# KiCad board alu_ctrl.kicad_pcb (continued)
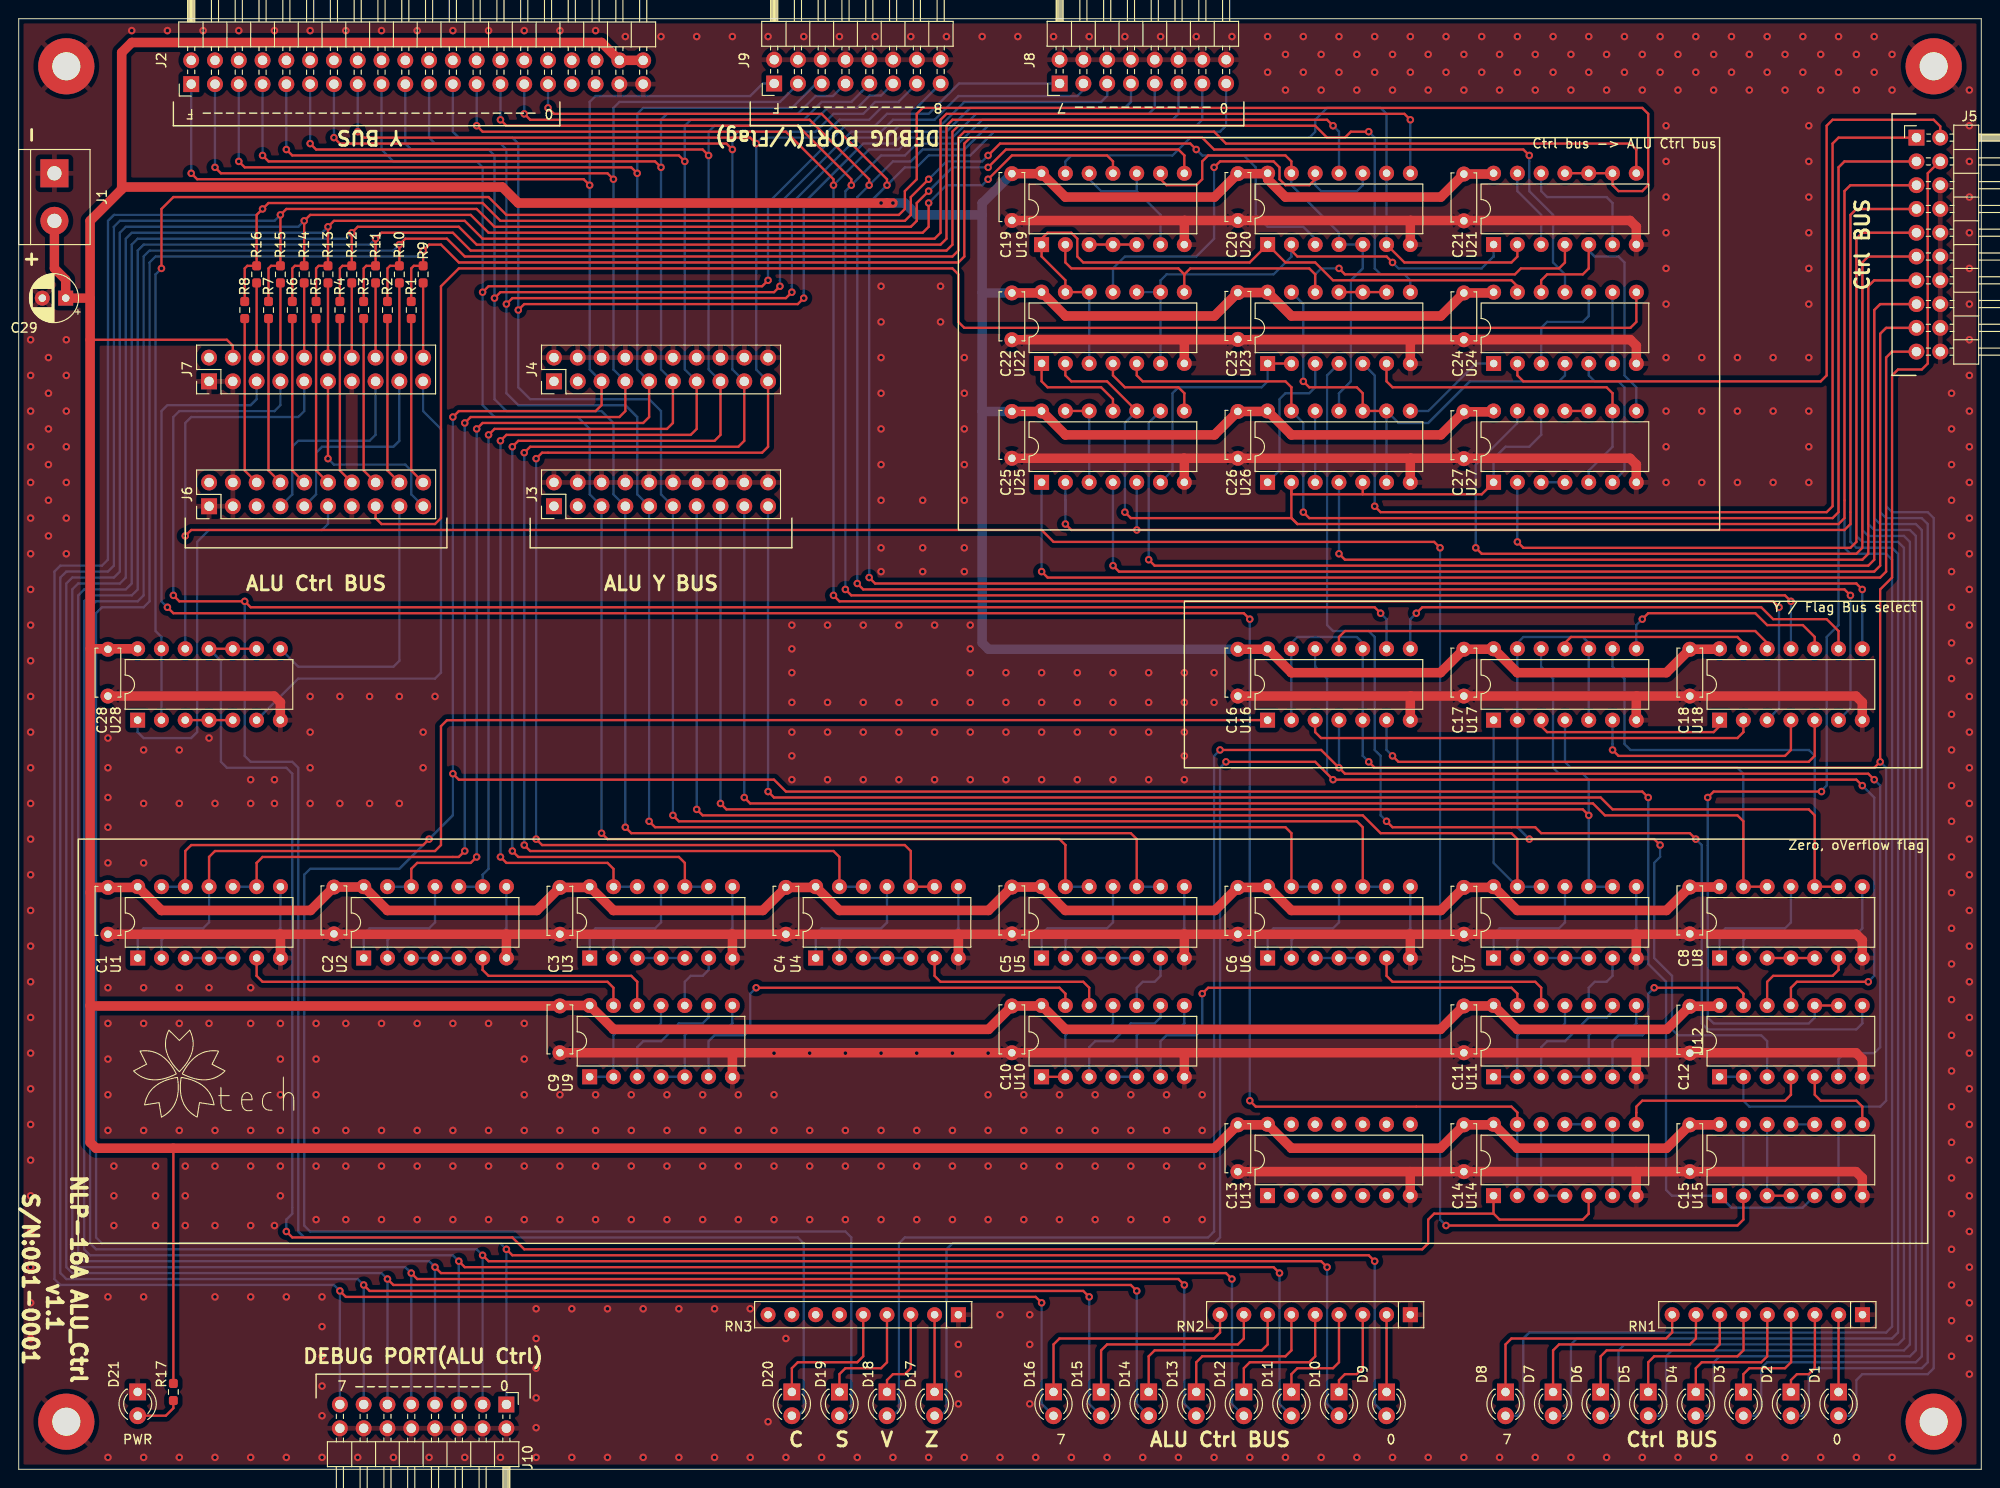
[diagram p0: board, top side]
## Routing (per net, layer and track width the routed paths; a pad name or vN(x,y) marks a point on that pad's centre or on a via; arc(x,y) is an arc through that point)
GND: length 746.9
  Top w1.016: 172.68,44.49 196.17,44.49 196.85,43.81 196.85,41.91 ; 172.68,44.49 172.72,44.46 U11.7 ; 172.68,44.49 124.5,44.49 ; C22.1 124.46,120.65 ; 124.46,120.65 124.45,120.64 124.45,118.12 ; 124.46,120.65 148.59,120.65 ; U3.7 76.2,57.14 76.2,57.15 ; 148.63,107.99 148.59,107.94 U26.7 ; 148.63,107.99 172.04,107.99 172.72,107.31 172.72,107.31 U27.7 ; 148.63,107.99 124.42,107.99 ; U14.7 172.71,31.76 172.68,31.79 ; 124.5,44.49 124.45,44.44 124.45,41.92 ; 124.5,44.49 76.24,44.49 ; 124.5,133.39 124.45,133.34 124.45,130.81 ; 124.5,133.39 148.63,133.39 ; 124.5,133.39 C19.1 ; 148.63,82.59 148.59,82.55 U16.7 ; 148.63,82.59 C16.1 ; 148.63,82.59 172.76,82.59 ; C13.1 148.55,31.79 ; 148.55,31.79 148.58,31.76 U13.7 ; 148.55,31.79 172.68,31.79 ; 148.63,133.39 148.59,133.35 U20.7 ; 148.63,133.39 172.04,133.39 172.72,132.72 172.72,132.71 U21.7 ; U6.7 148.59,57.15 ; 148.59,57.15 124.46,57.15 ; 148.59,57.15 172.72,57.15 ; 148.59,120.65 U23.7 ; 148.59,120.65 172.09,120.65 172.72,120.02 U24.7 ; 172.68,31.79 196.17,31.79 196.85,31.12 196.84,31.11 U15.7 ; 124.46,57.15 100.33,57.15 ; 124.46,57.15 124.45,57.14 124.45,54.61 ; 76.2,57.15 100.33,57.15 ; 76.2,57.15 52.07,57.15 ; 27.94,57.15 52.07,57.15 ; 27.94,57.15 C1.1 ; 27.94,57.15 27.94,57.14 U1.7 ; 52.07,57.15 52.08,57.14 U2.7 ; U4.7 100.33,57.15 ; U18.7 196.84,81.91 196.85,81.91 196.17,82.59 172.76,82.59 ; U9.7 76.2,44.45 76.24,44.49 ; U28.7 27.93,81.91 27.94,81.91 27.26,82.59 C28.1 ; 76.24,44.49 C9.1 ; 124.42,107.99 124.45,107.95 124.45,105.42 ; 124.42,107.99 C25.1 ; U7.7 172.72,57.14 172.72,57.15 ; 172.72,57.15 196.22,57.15 196.85,56.52 196.84,56.51 U8.7 ; 172.76,82.59 172.72,82.55 U17.7
  vias: v1(1.27,120.65) v1(1.27,116.84) v1(1.27,113.03) v1(1.27,109.22) v1(1.27,105.41) v1(1.27,101.6) v1(1.27,97.79) v1(1.27,93.98) v1(1.27,90.17) v1(1.27,86.36) v1(1.27,82.55) v1(1.27,78.74) v1(1.27,74.93) v1(1.27,71.12) v1(1.27,67.31) v1(1.27,63.5) v1(1.27,59.69) v1(1.27,55.88) v1(1.27,52.07) v1(1.27,48.26) v1(1.27,44.45) v1(1.27,40.64) v1(1.27,36.83) v1(1.27,33.02) v1(1.27,29.21) v1(1.27,25.4) v1(1.27,21.59) v1(1.27,17.78) v1(1.27,13.97) v1(3.18,118.75) v1(3.18,114.94) v1(3.18,111.12) v1(3.18,107.31) v1(3.18,103.5) v1(3.18,99.69) v1(5.08,120.65) v1(5.08,116.84) v1(5.08,113.03) v1(5.08,109.22) v1(5.08,105.41) v1(5.08,101.6) v1(5.08,97.79) v1(9.52,78.11) v1(9.52,74.93) v1(9.52,71.75) v1(9.52,68.58) v1(9.52,64.77) v1(9.52,51.44) v1(9.52,47.62) v1(9.52,43.81) v1(9.52,40) v1(9.52,36.19) v1(9.52,18.41) v1(9.52,1.27) v1(10.16,32.38) v1(10.16,29.21) v1(10.16,26.03) v1(12.07,153.67) v1(13.33,76.83) v1(13.33,71.12) v1(13.33,64.77) v1(13.33,51.44) v1(13.33,47.62) v1(13.33,36.19) v1(13.33,18.41) v1(13.33,1.27) v1(14.61,32.38) v1(14.61,29.21) v1(14.61,26.03) v1(15.88,153.67) v1(17.14,76.83) v1(17.14,71.12) v1(17.14,51.44) v1(17.14,47.62) v1(17.14,36.19) v1(17.14,1.27) v1(17.78,32.38) v1(17.78,29.21) v1(17.78,26.03) v1(19.68,153.67) v1(20.32,78.11) v1(20.32,51.44) v1(20.32,47.62) v1(20.96,71.12) v1(20.96,36.19) v1(20.96,32.38) v1(20.96,26.03) v1(20.96,18.41) v1(20.96,1.27) v1(23.5,153.67) v1(24.76,73.66) v1(24.76,71.12) v1(24.76,51.44) v1(24.76,47.62) v1(24.76,36.19) v1(24.76,32.38) v1(24.76,26.03) v1(24.76,18.41) v1(24.76,1.27) v1(27.31,153.67) v1(27.31,73.66) v1(27.31,71.12) v1(27.31,26.03) v1(27.94,47.62) v1(27.94,43.81) v1(27.94,40) v1(27.94,36.19) v1(27.94,32.38) v1(27.94,29.21) v1(28.57,18.41) v1(28.57,1.27) v1(31.11,153.67) v1(31.11,82.55) v1(31.11,78.74) v1(31.11,74.93) v1(31.11,71.12) v1(31.75,47.62) v1(31.75,43.81) v1(31.75,40) v1(31.75,36.19) v1(31.75,32.38) v1(31.75,26.67) v1(32.39,18.41) v1(32.39,15.24) v1(32.39,12.06) v1(32.39,8.89) v1(32.39,5.72) v1(32.39,1.27) v1(34.29,82.55) v1(34.29,71.12) v1(34.92,153.67) v1(34.92,47.62) v1(34.92,36.19) v1(34.92,32.38) v1(34.92,26.67) v1(36.19,1.27) v1(37.47,82.55) v1(37.47,71.12) v1(38.73,153.67) v1(38.73,47.62) v1(38.73,36.19) v1(38.73,32.38) v1(38.73,26.67) v1(40,1.27) v1(40.64,82.55) v1(40.64,71.12) v1(42.55,153.67) v1(42.55,47.62) v1(42.55,36.19) v1(42.55,32.38) v1(42.55,26.67) v1(43.18,78.74) v1(43.18,74.93) v1(43.81,1.27) v1(44.45,82.55) v1(46.35,153.67) v1(46.35,47.62) v1(46.35,36.19) v1(46.35,32.38) v1(46.35,26.67) v1(47.62,1.27) v1(50.16,153.67) v1(50.16,47.62) v1(50.16,36.19) v1(50.16,32.38) v1(50.16,26.67) v1(51.44,1.27) v1(53.97,153.67) v1(53.97,47.62) v1(53.97,43.81) v1(53.97,40) v1(53.97,36.19) v1(53.97,32.38) v1(53.97,26.67) v1(55.24,17.15) v1(55.24,13.97) v1(55.24,10.79) v1(55.24,7.62) v1(55.24,4.44) v1(55.24,1.27) v1(57.78,153.67) v1(57.78,40) v1(57.78,36.19) v1(57.78,32.38) v1(57.78,26.67) v1(59.05,17.15) v1(59.05,1.27) v1(61.59,153.67) v1(61.59,40) v1(61.59,36.19) v1(61.59,32.38) v1(61.59,26.67) v1(62.86,17.15) v1(62.86,1.27) v1(64.77,153.03) v1(65.41,40) v1(65.41,36.19) v1(65.41,32.38) v1(65.41,26.67) v1(66.67,17.15) v1(66.67,1.27) v1(68.58,153.03) v1(69.22,40) v1(69.22,36.19) v1(69.22,32.38) v1(69.22,26.67) v1(70.48,17.15) v1(70.48,1.27) v1(72.39,153.03) v1(73.02,40) v1(73.02,36.19) v1(73.02,32.38) v1(73.02,26.67) v1(74.3,17.15) v1(74.3,1.27) v1(76.2,153.03) v1(76.83,40) v1(76.83,36.19) v1(76.83,32.38) v1(76.83,26.67) v1(78.1,17.15) v1(78.1,1.27) v1(80.01,153.03) v1(80.01,5.08) v1(80.64,44.45) v1(80.64,40) v1(80.64,36.19) v1(80.64,32.38) v1(80.64,26.67) v1(81.91,13.97) v1(81.91,1.27) v1(82.55,90.17) v1(82.55,87.63) v1(82.55,85.09) v1(82.55,81.91) v1(82.55,78.74) v1(82.55,76.2) v1(82.55,73.66) v1(83.82,153.03) v1(84.45,44.45) v1(84.45,36.19) v1(84.45,32.38) v1(84.45,26.67) v1(85.72,1.27) v1(86.36,90.17) v1(86.36,81.91) v1(86.36,78.74) v1(86.36,73.66) v1(87.63,153.03) v1(88.27,44.45) v1(88.27,36.19) v1(88.27,32.38) v1(88.27,26.67) v1(89.53,1.27) v1(90.17,90.17) v1(90.17,81.91) v1(90.17,78.74) v1(90.17,73.66) v1(91.44,153.03) v1(92.08,126.37) v1(92.08,122.56) v1(92.08,118.75) v1(92.08,114.94) v1(92.08,111.12) v1(92.08,107.31) v1(92.08,103.5) v1(92.08,98.42) v1(92.08,95.89) v1(92.08,44.45) v1(92.08,36.19) v1(92.08,32.38) v1(92.08,26.67) v1(93.34,1.27) v1(93.98,90.17) v1(93.98,81.91) v1(93.98,78.74) v1(93.98,73.66) v1(95.25,153.03) v1(95.88,44.45) v1(95.88,36.19) v1(95.88,32.38) v1(95.88,26.67) v1(96.52,103.5) v1(96.52,98.42) v1(96.52,95.89) v1(97.16,1.27) v1(97.79,90.17) v1(97.79,81.91) v1(97.79,78.74) v1(97.79,73.66) v1(98.42,126.37) v1(98.42,122.56) v1(99.06,153.03) v1(99.69,44.45) v1(99.69,36.19) v1(99.69,32.38) v1(99.69,26.67) v1(100.33,13.34) v1(100.33,10.16) v1(100.33,6.98) v1(100.97,118.75) v1(100.97,114.94) v1(100.97,111.12) v1(100.97,107.31) v1(100.97,103.5) v1(100.97,98.42) v1(100.97,95.89) v1(100.97,1.27) v1(101.6,90.17) v1(101.6,87.63) v1(101.6,85.09) v1(101.6,81.91) v1(101.6,78.74) v1(101.6,73.66) v1(102.87,153.03) v1(103.5,44.45) v1(103.5,40) v1(103.5,36.19) v1(103.5,32.38) v1(103.5,26.67) v1(104.77,16.51) v1(104.77,1.27) v1(105.41,85.09) v1(105.41,81.91) v1(105.41,78.74) v1(105.41,73.66) v1(106.68,153.03) v1(107.31,40) v1(107.31,36.19) v1(107.31,32.38) v1(107.31,26.67) v1(107.95,16.51) v1(107.95,13.34) v1(107.95,6.98) v1(108.59,1.27) v1(109.22,85.09) v1(109.22,81.91) v1(109.22,78.74) v1(109.22,73.66) v1(110.49,153.03) v1(111.12,40) v1(111.12,36.19) v1(111.12,32.38) v1(111.12,26.67) v1(112.4,1.27) v1(113.03,85.09) v1(113.03,81.91) v1(113.03,78.74) v1(113.03,73.66) v1(114.3,153.03) v1(114.94,40) v1(114.94,36.19) v1(114.94,32.38) v1(114.94,26.67) v1(116.2,1.27) v1(116.84,85.09) v1(116.84,81.91) v1(116.84,78.74) v1(116.84,73.66) v1(118.11,153.03) v1(118.75,40) v1(118.75,36.19) v1(118.75,32.38) v1(118.75,26.67) v1(120.01,1.27) v1(120.65,85.09) v1(120.65,81.91) v1(120.65,78.74) v1(120.65,73.66) v1(121.92,153.03) v1(122.56,40) v1(122.56,36.19) v1(122.56,32.38) v1(122.56,26.67) v1(123.82,1.27) v1(124.46,85.09) v1(124.46,81.91) v1(124.46,78.74) v1(124.46,76.2) v1(124.46,73.66) v1(125.73,153.03) v1(126.37,40) v1(126.37,36.19) v1(126.37,32.38) v1(126.37,26.67) v1(127.63,85.09) v1(127.63,81.91) v1(127.63,1.27) v1(129.54,153.03) v1(131.44,1.27) v1(133.35,153.03) v1(133.35,149.22) v1(135.25,151.13) v1(135.25,147.32) v1(135.25,1.27) v1(137.16,153.03) v1(137.16,149.22) v1(139.06,151.13) v1(139.06,147.32) v1(139.06,1.27) v1(140.97,153.03) v1(140.97,149.22) v1(142.88,151.13) v1(142.88,147.32) v1(142.88,1.27) v1(144.78,153.03) v1(144.78,149.22) v1(146.69,151.13) v1(146.69,147.32) v1(146.69,1.27) v1(148.59,153.03) v1(148.59,149.22) v1(150.5,151.13) v1(150.5,147.32) v1(150.5,1.27) v1(152.4,153.03) v1(152.4,149.22) v1(154.31,151.13) v1(154.31,147.32) v1(154.31,1.27) v1(156.21,153.03) v1(156.21,149.22) v1(158.12,151.13) v1(158.12,147.32) v1(158.12,1.27) v1(160.02,153.03) v1(160.02,149.22) v1(161.92,151.13) v1(161.92,147.32) v1(161.92,1.27) v1(163.83,153.03) v1(163.83,149.22) v1(165.73,151.13) v1(165.73,147.32) v1(165.73,1.27) v1(167.64,153.03) v1(167.64,149.22) v1(169.54,151.13) v1(169.54,147.32) v1(169.54,1.27) v1(171.45,153.03) v1(171.45,149.22) v1(173.35,151.13) v1(173.35,147.32) v1(173.35,1.27) v1(175.26,153.03) v1(175.26,149.22) v1(175.9,143.51) v1(175.9,139.7) v1(175.9,135.89) v1(175.9,132.08) v1(175.9,128.27) v1(175.9,124.46) v1(175.9,118.75) v1(175.9,113.03) v1(175.9,109.22) v1(175.9,105.41) v1(177.16,151.13) v1(177.16,147.32) v1(177.16,1.27) v1(179.07,153.03) v1(179.07,149.22) v1(179.7,118.75) v1(179.7,113.03) v1(179.7,105.41) v1(180.97,151.13) v1(180.97,147.32) v1(180.97,1.27) v1(182.88,153.03) v1(182.88,149.22) v1(183.51,118.75) v1(183.51,113.03) v1(183.51,105.41) v1(184.78,151.13) v1(184.78,147.32) v1(184.78,1.27) v1(186.69,153.03) v1(186.69,149.22) v1(187.32,118.75) v1(187.32,113.03) v1(187.32,105.41) v1(188.59,151.13) v1(188.59,147.32) v1(188.59,1.27) v1(190.5,153.03) v1(190.5,149.22) v1(191.13,143.51) v1(191.13,139.7) v1(191.13,135.89) v1(191.13,132.08) v1(191.13,128.27) v1(191.13,124.46) v1(191.13,118.75) v1(191.13,113.03) v1(191.13,109.22) v1(191.13,105.41) v1(192.41,151.13) v1(192.41,147.32) v1(192.41,1.27) v1(194.31,153.03) v1(194.31,149.22) v1(196.22,151.13) v1(196.22,147.32) v1(196.22,1.27) v1(198.12,153.03) v1(198.12,149.22) v1(200.03,151.13) v1(200.03,147.32) v1(200.03,1.27) v1(206.38,114.94) v1(206.38,111.12) v1(206.38,107.31) v1(206.38,103.5) v1(206.38,99.69) v1(206.38,95.89) v1(206.38,92.08) v1(206.38,88.27) v1(206.38,84.45) v1(206.38,80.64) v1(206.38,76.83) v1(206.38,73.03) v1(206.38,69.22) v1(206.38,65.41) v1(206.38,61.59) v1(206.38,57.78) v1(206.38,53.97) v1(206.38,50.16) v1(206.38,46.36) v1(206.38,42.54) v1(206.38,38.73) v1(206.38,34.93) v1(206.38,31.12) v1(206.38,27.31) v1(206.38,23.5) v1(206.38,19.69) v1(206.38,15.88) v1(206.38,12.06) v1(208.28,147.32) v1(208.28,143.51) v1(208.28,139.7) v1(208.28,135.89) v1(208.28,132.08) v1(208.28,128.27) v1(208.28,124.46) v1(208.28,120.65) v1(208.28,116.84) v1(208.28,113.03) v1(208.28,109.22) v1(208.28,105.41) v1(208.28,101.6) v1(208.28,97.79) v1(208.28,93.98) v1(208.28,90.17) v1(208.28,86.36) v1(208.28,82.55) v1(208.28,78.74) v1(208.28,74.93) v1(208.28,71.12) v1(208.28,67.31) v1(208.28,63.5) v1(208.28,59.69) v1(208.28,55.88) v1(208.28,52.07) v1(208.28,48.26) v1(208.28,44.45) v1(208.28,40.64) v1(208.28,36.83) v1(208.28,33.02) v1(208.28,29.21) v1(208.28,25.4) v1(208.28,21.59) v1(208.28,17.78) v1(208.28,13.97) v1(208.28,10.16)
VCC: length 1184.2
  Top w0.25: 7.62,120.65 22.22,120.65 22.86,120.02 J7.4 ; R17.1 16.51,34.29
  Top w0.5: 7.62,87.63 7.63,87.64 ; 12.67,62.19 U1.14
  Top w1: J1.2 3.81,128.27 5.02,127.06 C29.1 7.62,125.09
  Top w1.016: U8.14 181.56,62.19 C8.2 175.94,59.69 160.01,59.69 U7.14 157.4,62.15 C7.2 151.84,59.69 135.89,59.69 U6.14 133.27,62.15 C6.2 127.72,59.69 111.75,59.69 U5.14 109.17,62.19 C5.2 103.55,59.69 87.63,59.69 U4.14 85.01,62.15 C4.2 79.45,59.69 63.5,59.69 63.5,59.69 U3.14 60.88,62.15 C3.2 55.33,59.69 39.37,59.69 39.37,59.69 U2.14 36.8,62.19 C2.2 31.15,59.69 15.24,59.69 15.24,59.69 U1.14 12.63,62.15 C1.2 8.18,62.15 ; U28.14 7.63,87.64 ; U18.14 181.56,87.59 C18.2 175.94,85.09 160.02,85.09 160.02,85.09 U17.14 157.42,87.59 C17.2 151.81,85.09 135.89,85.09 135.89,85.09 U16.14 133.29,87.59 C16.2 ; 7.62,49.53 7.62,34.93 8.25,34.29 127.67,34.29 C13.2 133.28,36.79 U13.14 135.89,34.3 135.89,34.29 151.81,34.29 C14.2 157.41,36.79 U14.14 160.02,34.3 160.02,34.29 175.94,34.29 C15.2 181.56,36.79 U15.14 ; 7.62,49.53 7.62,133.35 10.99,136.72 10.99,136.96 ; 7.62,49.53 7.66,49.49 C9.2 57.83,49.54 U9.14 63.5,47 63.5,46.99 103.55,46.99 C10.2 109.16,49.49 U10.14 111.76,47 111.76,46.99 151.81,46.99 C11.2 157.42,49.49 U11.14 160.02,47 160.02,46.99 175.97,46.99 C12.2 181.53,49.45 181.61,49.53 ; C22.2 109.12,125.65 U22.14 111.76,123.19 111.76,123.19 127.67,123.19 C23.2 133.31,125.69 U23.14 135.89,123.19 151.84,123.19 C24.2 157.4,125.65 U24.14 ; 10.99,136.96 51.63,136.96 53.34,135.25 v1(93.34,135.25) ; 10.99,136.96 10.99,151.33 12.07,152.4 62.23,152.4 64.13,150.5 66.67,150.5 ; U27.14 157.38,112.95 C27.2 151.84,110.49 135.89,110.49 135.89,110.5 U26.14 133.29,112.99 C26.2 127.67,110.49 111.76,110.49 111.76,110.5 U25.14 109.16,112.99 C25.2 ; C19.2 109.17,138.39 U19.14 111.75,135.89 127.67,135.89 C20.2 133.3,138.39 U20.14 133.35,137.8 135.25,135.89 151.84,135.89 C21.2 157.38,138.35 U21.14
  Bottom w1.016: C25.2 102.91,112.99 102.87,113.03 ; C19.2 102.91,135.25 102.87,135.25 102.87,133.99 ; C16.2 103.55,87.59 102.87,88.27 102.87,113.03 ; v1(92.08,135.25) v1(93.34,135.25) 94.61,135.25 95.88,133.99 102.87,133.99 ; 102.87,133.99 102.87,125.73 ; 102.87,125.73 102.95,125.65 C22.2 ; 102.87,125.73 102.87,113.03
ADD/SUB: length 465.3
  Top w0.25: v1(161.29,140.34) 160.66,140.97 127.63,140.97 126.37,142.24 101.6,142.24 100.97,141.6 100.97,129.54 100.33,128.91 46.99,128.91 45.08,130.81 43.81,130.81 v1(43.18,130.18) R9.2 42.19,128.55 41.91,128.27 R1.2 ; v1(52.07,23.5) 52.7,22.86 144.15,22.86 v1(144.78,22.22)
  Bottom w0.25: U24.11 165.1,127.63 163.83,128.91 163.83,133.99 161.29,136.53 v1(161.29,140.34) ; v1(144.78,22.22) 144.78,6.98 D9.2 ; J10.1 v1(52.07,23.5) 51.44,24.13 8.89,24.13 8.25,24.76 8.25,91.44 8.89,92.08 13.33,92.08 13.97,92.71 13.97,128.91 14.61,129.54 42.55,129.54 v1(43.18,130.18)
ALU_Ctrl1: length 459.9
  Top w0.25: R2.2 39.37,128.27 39.65,128.55 R10.2 v1(40.64,130.81) 41.28,131.44 45.72,131.44 47.62,129.54 99.69,129.54 100.33,130.18 100.33,142.24 100.97,142.88 127.63,142.88 128.91,141.6 172.09,141.6 172.72,140.97 172.72,140.97 U21.8 ; v1(49.53,22.86) 50.16,22.22 139.06,22.22 v1(139.7,21.59)
  Bottom w0.25: J10.3 v1(49.53,22.86) 48.89,23.5 8.25,23.5 7.62,24.13 7.62,92.08 8.25,92.71 12.7,92.71 13.33,93.34 13.33,129.54 13.97,130.18 40,130.18 v1(40.64,130.81) ; D10.2 139.7,6.99 139.7,6.99 v1(139.7,21.59)
ALU_Ctrl2: length 446.1
  Top w0.25: R3.2 36.83,128.27 37.11,128.55 R11.2 v1(38.1,131.44) 38.73,132.08 46.35,132.08 48.26,130.18 99.06,130.18 99.69,130.81 99.69,142.88 100.33,143.51 138.43,143.51 139.7,142.24 141.6,142.24 142.24,142.88 v1(144.15,142.88) ; v1(134.62,20.96) 133.98,21.59 47.62,21.59 v1(46.99,22.22)
  Bottom w0.25: v1(38.1,131.44) 37.47,130.81 13.33,130.81 12.7,130.18 12.7,93.98 12.07,93.34 7.62,93.34 6.98,92.71 6.98,23.49 7.62,22.86 46.35,22.86 v1(46.99,22.22) J10.5 ; D11.2 134.62,6.98 v1(134.62,20.96) ; 148.59,125.74 148.59,127 147.95,127.63 145.41,127.63 144.78,128.27 144.78,142.24 v1(144.15,142.88)
ALU_Ctrl3: length 423.4
  Top w0.25: v1(129.54,20.32) 128.91,20.96 45.08,20.96 v1(44.45,21.59) ; v1(140.34,143.51) 139.7,144.15 99.69,144.15 99.06,143.51 99.06,131.44 98.42,130.81 48.89,130.81 46.99,132.72 36.19,132.72 v1(35.56,132.08) R12.2 34.57,128.55 34.29,128.27 R4.2
  Bottom w0.25: D12.2 129.54,6.98 v1(129.54,20.32) ; v1(35.56,132.08) 34.92,131.44 12.7,131.44 12.07,130.81 12.07,94.61 11.43,93.98 6.98,93.98 6.35,93.34 6.35,22.86 6.98,22.22 43.81,22.22 v1(44.45,21.59) J10.7 ; v1(140.34,143.51) 140.97,142.88 U20.11
ALU_Ctrl4: length 428.9
  Top w0.25: R5.2 31.75,128.27 32.03,128.55 R13.2 v1(33.02,132.72) 33.66,133.35 47.62,133.35 49.53,131.44 97.79,131.44 98.42,132.08 98.42,144.15 99.06,144.78 147.95,144.78 v1(148.59,144.15) ; v1(124.46,19.69) 123.82,20.32 42.55,20.32 v1(41.91,20.96)
  Bottom w0.25: J10.9 v1(41.91,20.96) 41.28,21.59 6.35,21.59 5.71,22.22 5.71,93.98 6.35,94.61 10.79,94.61 11.43,95.25 11.43,131.44 12.07,132.08 32.39,132.08 v1(33.02,132.72) ; U20.8 v1(148.59,144.15) ; v1(124.46,19.69) 124.46,6.98 124.47,6.98 D13.2
ALU_Ctrl5: length 381.8
  Top w0.25: v1(39.37,20.32) 40,19.69 118.75,19.69 v1(119.38,19.05) ; v1(97.16,135.25) 97.16,132.72 96.52,132.08 50.16,132.08 48.26,133.99 31.11,133.99 v1(30.48,133.35) R14.2 29.49,128.55 29.21,128.27 R6.2 ; 116.84,138.44 116.84,139.69 116.84,139.7 116.2,140.34 106.05,140.34 v1(103.5,137.8)
  Bottom w0.25: v1(119.38,19.05) 119.38,6.98 119.38,6.98 D14.2 ; v1(30.48,133.35) 29.85,132.72 11.43,132.72 10.79,132.08 10.79,95.89 10.16,95.25 5.71,95.25 5.08,94.61 5.08,21.59 5.71,20.96 38.73,20.96 v1(39.37,20.32) J10.11 ; v1(103.5,137.8) 102.87,137.16 99.06,137.16 v1(97.16,135.25)
ALU_Ctrl6: length 386.6
  Top w0.25: v1(103.5,139.06) 105.41,140.97 123.82,140.97 124.46,140.34 124.45,140.33 124.45,138.44 ; v1(114.3,18.41) 113.66,19.05 37.47,19.05 v1(36.83,19.69) ; R7.2 26.67,128.27 26.95,128.55 R15.2 v1(27.94,133.99) 28.57,134.62 48.89,134.62 50.8,132.72 95.25,132.72 95.88,133.35 95.88,135.25 v1(97.16,136.53)
  Bottom w0.25: v1(103.5,139.06) 99.69,139.06 v1(97.16,136.53) ; D15.2 114.3,6.98 v1(114.3,18.41) ; J10.13 v1(36.83,19.69) 36.19,20.32 5.08,20.32 4.45,20.96 4.45,95.25 5.08,95.89 9.52,95.89 10.16,96.52 10.16,132.72 10.79,133.35 27.31,133.35 v1(27.94,133.99)
ALU_Ctrl7: length 403.3
  Top w0.25: v1(34.29,19.05) 34.92,18.41 108.59,18.41 v1(109.22,17.78) ; v1(97.16,137.8) 95.25,135.89 95.25,133.99 94.61,133.35 51.44,133.35 49.53,135.25 26.67,135.25 v1(26.04,134.62) 25.4,133.99 R16.2 24.41,128.55 24.13,128.27 R8.2 ; v1(103.5,140.34) 104.77,141.6 125.09,141.6 v1(125.73,140.97)
  Bottom w0.25: v1(109.22,17.78) 109.22,6.98 109.22,6.98 D16.2 ; v1(97.16,137.8) 99.06,139.7 102.87,139.7 v1(103.5,140.34) ; J10.15 v1(34.29,19.05) 33.66,19.69 4.45,19.69 3.81,20.32 3.81,95.89 4.45,96.52 8.89,96.52 9.52,97.16 9.52,133.35 10.16,133.99 25.4,133.99 v1(26.04,134.62) ; v1(125.73,140.97) 126.37,140.34 130.81,140.34 132.08,139.06 132.08,133.99 133.35,132.72 137.16,132.72 138.43,131.44 138.43,130.81
B_SIGN: length 239.3
  Top w0.25: v1(131.44,39.37) 132.08,38.73 159.38,38.73 160.02,38.1 160.01,38.09 U14.13 ; v1(131.44,90.8) 130.81,91.44 16.51,91.44 v1(15.88,92.08)
  Bottom w0.25: J7.5 25.4,114.3 24.76,113.66 15.88,113.66 15.24,113.03 15.24,92.71 v1(15.88,92.08) ; v1(131.44,39.37) v1(131.44,90.8) ; U14.13 U14.2
C: length 313.4
  Top w0.25: v1(16.51,93.34) 17.14,92.71 v1(24.13,92.71) 24.76,92.08 144.78,92.08 v1(145.41,91.44)
  Bottom w0.25: v1(16.51,93.34) 16.51,112.39 17.14,113.03 27.31,113.03 27.94,113.66 J7.7 ; v1(24.13,92.71) 24.13,76.2 24.76,75.56 29.21,75.56 29.85,74.93 29.85,25.4 30.48,24.76 83.19,24.76 83.82,24.13 83.82,6.35 83.19,5.72 D20.2 ; v1(145.41,91.44) 146.04,90.81 U16.9
C0: length 44.2
  Top w0.25: v1(127.63,139.06) 128.27,139.7 133.98,139.7 134.62,139.06 134.62,137.8 135.25,137.16 137.79,137.16 138.43,137.8 138.42,137.8 138.42,138.44
  Bottom w0.25: 138.42,138.44 138.42,137.16 139.06,136.53 142.88,136.53 143.51,137.16 143.5,137.16 143.5,138.44 ; v1(127.63,139.06) 127.63,131.44 125.73,129.54 118.11,129.54 116.84,128.26 U22.11
C1: length 52.6
  Top w0.25: 135.88,130.82 135.88,130.18 136.53,129.54 146.05,129.54 v1(146.69,128.91)
  Bottom w0.25: 135.88,130.82 135.88,129.55 135.89,129.54 133.98,127.63 122.56,127.63 121.91,127 U22.9 ; U22.6 U22.9 ; U22.9 U22.10 ; 157.47,129.55 157.47,129.53 ; 157.47,129.55 157.48,129.54 156.21,128.27 147.32,128.27 v1(146.69,128.91) ; 157.47,129.55 U21.1
C2: length 49.9
  Top w0.25: 135.88,138.44 135.88,139.7 135.25,140.34 127,140.34 126.37,139.7 126.37,137.8 125.73,137.16 122.56,137.16 121.91,137.8 121.91,138.44
  Bottom w0.25: U26.11 140.97,114.93 142.24,116.2 142.24,127 143.51,128.27 U20.5 U20.4 ; 140.97,130.82 140.97,132.09 135.88,137.16 135.88,138.44
C3: length 11
  Bottom w0.25: U26.8 150.5,113.04 155.57,118.11 U24.1
C4: length 30.8
  Top w0.25: U24.12 162.56,127 163.19,127.63 167,127.63 167.64,128.27 167.63,128.28 U21.5
  Bottom w0.25: U27.8 172.72,115.57 171.45,116.84 171.45,128.91 170.81,129.54 168.28,129.54 167.63,130.18 U21.5
C5: length 16.3
  Bottom w0.25: U27.6 171.45,106.69 171.45,115.57 170.81,116.2 168.28,116.2 167.64,116.84 U24.5
carry_flag: length 75.4
  Top w0.25: 205.17,142.24 205.17,143.44 204.47,144.15 193.67,144.15 193.04,143.51 193.04,116.84 192.41,116.2 160.66,116.2 160.02,116.84 U24.2
Cin: length 171
  Top w0.25: U24.8 172.72,122.56 172.09,121.92 100.97,121.92 100.33,122.56 100.33,127.63 99.69,128.27 46.99,128.27 45.08,126.37 45.08,101.6 44.45,100.97 38.73,100.97 38.1,101.6 38.11,101.61 J6.15
Ctrl0: length 256.5
  Top w0.25: 202.63,119.38 200.03,119.38 200.03,119.38 199.39,118.75 199.39,95.89 198.75,95.25 109.85,95.25 v1(109.22,95.89)
  Bottom w0.25: v1(109.22,95.89) 109.22,95.89 U25.1 ; J5.19 200.03,119.38 199.39,118.75 199.39,102.87 200.03,102.23 203.84,102.23 204.47,101.6 204.47,10.79 203.84,10.16 196.85,10.16 196.22,9.53 196.22,6.35 195.58,5.72 D1.2
Ctrl1: length 257.8
  Top w0.25: 202.63,121.91 199.38,121.91 198.75,121.28 198.75,96.52 198.12,95.89 117.47,95.89 v1(116.84,96.52)
  Bottom w0.25: U25.4 116.84,96.53 v1(116.84,96.52) ; J5.17 199.39,121.92 198.75,121.28 198.75,102.23 199.39,101.6 203.2,101.6 203.84,100.97 203.84,11.43 203.2,10.79 191.77,10.79 191.13,10.16 191.13,6.35 190.5,5.72 D2.2
Ctrl2: length 271
  Top w0.25: v1(120.65,97.16) 121.28,96.52 197.48,96.52 198.12,97.16 198.12,123.82 198.75,124.45 202.63,124.45
  Bottom w0.25: U25.9 120.65,111.78 v1(120.65,97.16) ; J5.15 198.75,124.46 198.12,123.82 198.12,101.6 198.75,100.97 202.56,100.97 203.2,100.33 203.2,12.06 202.56,11.43 186.69,11.43 186.06,10.79 186.06,6.35 185.42,5.72 D3.2
Ctrl3: length 251.4
  Top w0.25: 202.63,127 198.12,127 197.48,126.37 197.48,97.79 196.85,97.16 141.6,97.16 v1(140.97,97.79)
  Bottom w0.25: D4.2 180.34,5.72 180.97,6.35 180.97,11.43 181.61,12.06 201.93,12.06 202.56,12.7 202.56,99.69 201.93,100.33 198.12,100.33 197.48,100.97 197.48,126.37 198.12,127 J5.13 ; v1(140.97,97.79) 140.97,97.8 U26.4
Ctrl4: length 255.2
  Top w0.25: 202.63,129.53 197.48,129.53 196.85,128.91 196.85,98.43 196.21,97.79 156.21,97.79 v1(155.57,98.42)
  Bottom w0.25: U27.13 160.01,111.75 155.57,107.31 v1(155.57,98.42) ; D5.2 175.26,5.72 175.9,6.35 175.9,12.06 176.53,12.7 201.29,12.7 201.93,13.34 201.93,99.06 201.29,99.69 197.48,99.69 196.85,100.33 196.85,128.91 197.48,129.54 J5.11
Ctrl5: length 250.2
  Top w0.25: 202.63,132.07 196.84,132.07 196.22,131.44 196.22,99.06 195.58,98.42 160.66,98.42 v1(160.02,99.06)
  Bottom w0.25: D6.2 170.18,5.72 170.81,6.35 170.81,12.7 171.45,13.34 200.66,13.34 201.29,13.97 201.29,98.42 200.66,99.06 196.85,99.06 196.22,99.69 196.22,131.44 196.85,132.08 J5.9 ; v1(160.02,99.06) 160.01,99.06 U27.2
Ctrl6: length 311.8
  Top w0.25: 202.63,134.62 196.21,134.62 195.58,133.99 195.58,100.97 194.94,100.33 v1(119.38,100.33) 112.4,100.33 v1(111.76,100.97)
  Bottom w0.25: J5.7 196.22,134.62 195.58,133.99 195.58,99.06 196.22,98.42 200.03,98.42 200.66,97.79 200.66,14.6 200.03,13.97 166.37,13.97 165.73,13.34 165.73,6.35 165.1,5.72 D7.2 ; 111.75,102.24 111.75,104.14 ; 111.75,104.14 U25.2 ; 111.75,104.14 111.75,103.51 111.76,103.5 v1(111.76,100.97) ; U25.5 119.38,100.33 v1(119.38,100.33)
Ctrl7: length 366.2
  Top w0.25: U27.1 157.47,105.41 156.21,104.14 135.89,104.14 135.88,104.14 U26.2 135.88,101.61 136.53,100.97 ; v1(118.11,102.23) 118.75,101.6 135.89,101.6 136.53,100.97 ; 136.53,100.97 194.31,100.97 194.94,101.6 194.94,136.53 195.57,137.16 202.63,137.16 ; U22.2 111.75,116.84 112.4,116.2 116.21,116.2 U25.10 ; U26.5 143.5,104.14
  Bottom w0.25: D8.2 160.02,5.72 160.66,6.35 160.66,13.97 161.29,14.6 199.39,14.6 200.03,15.24 200.03,97.16 199.39,97.79 195.58,97.79 194.94,98.42 194.94,136.53 195.58,137.16 J5.5 ; U27.12 162.56,110.5 162.56,110.49 161.29,109.22 158.75,109.22 157.47,107.94 U27.1 ; U25.10 118.11,111.78 v1(118.11,102.23)
Ctrl8: length 263
  Top w0.25: 202.63,139.69 194.94,139.69 194.31,139.06 194.31,102.23 193.67,101.6 137.79,101.6 v1(137.16,102.23) ; U26.13 135.88,115.56 135.89,115.57 135.25,116.2 120.01,116.2 119.38,116.84 U22.5 ; v1(180.34,71.75) 180.97,72.39 v1(192.49,72.39) ; U12.10 194.31,49.54
  Bottom w0.25: v1(180.34,71.75) 180.34,48.26 180.97,47.62 191.13,47.62 191.77,48.26 191.76,48.27 U12.10 ; v1(137.16,102.23) 137.16,111.77 U26.13 ; J5.3 194.94,139.7 194.31,139.06 194.31,90.17 193.04,88.9 193.04,73.03 192.49,72.47 v1(192.49,72.39)
Ctrl9: length 113.1
  Top w0.25: v1(144.78,102.87) 145.41,102.23 193.04,102.23 193.67,102.87 193.67,141.6 194.31,142.24 202.63,142.24
  Bottom w0.25: v1(144.78,102.87) 144.78,116.84 U23.5
Lin: length 30.3
  Bottom w0.25: U28.8 29.85,85.72 40,85.72 40.64,86.36 J6.17
Lout/A_sign: length 290.4
  Top w0.25: 184.15,27.94 184.15,27.94 ; 184.15,27.94 184.15,27.94 184.15,26.67 183.51,26.03 v1(152.4,26.03) ; 184.15,27.94 184.15,29.22 ; v1(17.78,99.69) 18.42,100.33 109.22,100.33 110.49,99.06 151.13,99.06 v1(151.76,98.42)
  Bottom w0.25: 184.15,29.22 184.15,36.84 ; J7.9 30.48,113.03 29.85,112.39 18.42,112.39 17.78,111.76 v1(17.78,99.69) 17.78,99.69 U28.12 ; v1(151.76,98.42) 151.76,26.67 v1(152.4,26.03)
Rin: length 53.7
  Bottom w0.25: U28.6 25.41,80.02 29.85,84.45 44.45,84.45 45.08,85.09 45.08,111.12 43.18,113.03 J7.19
ROLL: length 243.7
  Top w0.25: U21.11 U21.9 170.17,137.16 170.81,136.53 173.35,136.53 173.99,137.16 173.99,144.78 173.35,145.41 96.52,145.41 95.88,144.78 95.88,137.8 94.61,136.53 94.61,134.62 93.98,133.99 52.07,133.99 50.16,135.89 16.51,135.89 15.24,134.62 v1(15.24,128.27)
  Bottom w0.25: v1(15.24,128.27) 14.61,127.63 14.61,89.53 15.24,88.91 U28.13 U28.2
Rout: length 45.1
  Bottom w0.25: U28.1 12.69,78.75 13.33,78.11 18.42,78.11 19.05,78.74 19.05,99.06 20.32,100.33 32.39,100.33 33.03,100.97 33.03,102.86
V: length 217.2
  Top w0.25: v1(128.27,76.83) 139.06,76.83 v1(140.97,74.93) 141.6,74.3 197.48,74.3 v1(198.12,73.66)
  Bottom w0.25: 194.31,41.91 194.31,43.81 194.94,44.45 198.12,44.45 198.75,45.08 198.75,73.03 v1(198.12,73.66) ; U16.4 140.97,74.94 v1(140.97,74.93) ; D18.2 93.35,5.72 93.98,6.35 93.98,24.13 94.61,24.76 127,24.76 127.63,25.4 127.63,76.2 v1(128.27,76.83)
Y_BUS0: length 199
  Top w0.25: 194.31,62.23 U8.10 191.76,69.86 191.13,70.48 170.18,70.48 168.91,71.75 80.64,71.75 v1(80.01,72.39)
  Bottom w0.25: J3.19 v1(80.01,72.39) ; U8.10 191.76,76.19 191.77,76.2 191.13,76.83 172.09,76.83 171.45,77.47 171.45,84.45 170.17,85.73 U17.9
Y_BUS1: length 184.5
  Top w0.25: v1(77.47,71.75) 78.1,71.12 168.09,71.12 169.36,69.85 183.51,69.85 184.15,69.22 184.15,62.23 U8.12
  Bottom w0.25: U17.4 165.09,75.57 165.73,74.93 183.51,74.93 184.15,74.3 184.15,74.29 184.15,62.23 ; J3.17 v1(77.47,71.75)
Y_BUS2: length 156.5
  Top w0.25: v1(74.93,71.12) 75.56,70.48 167,70.48 v1(167.64,69.85)
  Bottom w0.25: 167.64,62.23 170.18,62.23 ; J3.15 v1(74.93,71.12) ; U17.12 162.56,85.73 163.83,84.45 163.83,74.93 164.47,74.3 167,74.3 167.64,73.66 167.63,73.66 U7.10
Y_BUS3: length 147.8
  Top w0.25: U7.13 160.01,67.3 160.02,67.31 159.38,67.94 145.41,67.94 143.51,69.85 73.02,69.85 v1(72.39,70.48)
  Bottom w0.25: J3.13 v1(72.39,70.48) ; U17.1 157.47,64.77 U7.13 ; 162.56,62.23 160.02,62.23
Y_BUS4: length 264.2
  Top w0.25: v1(69.85,69.85) 70.48,69.22 142.88,69.22 143.51,68.58 U6.10 ; v1(83.82,125.09) 83.19,124.46 53.97,124.46 v1(53.34,123.82)
  Bottom w0.25: U6.10 U6.9 ; 46.35,147.95 46.35,142.88 46.99,142.24 52.7,142.24 53.34,141.6 53.34,115.57 54.61,114.3 67.31,114.3 68.58,113.03 68.58,104.14 J3.11 v1(69.85,69.85) ; J8.7 118.76,146.06 118.11,145.41 101.6,145.41 99.06,142.88 94.61,142.88 93.34,141.6 90.17,141.6 83.82,135.25 v1(83.82,125.09)
Y_BUS5: length 256.9
  Top w0.25: v1(82.55,125.73) 81.91,125.09 52.7,125.09 v1(52.07,124.46) ; U6.13 135.89,67.94 135.25,68.58 67.94,68.58 v1(67.31,69.22)
  Bottom w0.25: J2.21 43.81,142.24 44.45,141.6 51.44,141.6 52.07,140.97 v1(52.07,124.46) 52.07,114.94 53.34,113.66 64.77,113.66 66.04,112.39 66.04,104.14 J3.9 v1(67.31,69.22) ; U6.12 U6.13 ; v1(82.55,125.73) 82.55,135.25 89.53,142.24 92.71,142.24 93.98,143.51 98.42,143.51 100.97,146.05 115.57,146.05 116.22,146.7 J8.5
Y_BUS6: length 240.6
  Top w0.25: U5.10 119.38,67.3 119.38,67.31 118.75,67.94 65.41,67.94 v1(64.77,68.58) ; v1(81.28,126.37) 80.64,125.73 51.44,125.73 v1(50.8,125.09)
  Bottom w0.25: v1(81.28,126.37) 81.28,135.25 88.9,142.88 92.08,142.88 93.34,144.15 97.79,144.15 100.33,146.69 113.03,146.69 113.68,147.34 J8.3 ; J2.19 41.28,141.6 41.91,140.97 50.16,140.97 50.8,140.34 50.8,114.3 52.07,113.03 62.23,113.03 63.5,111.76 63.5,104.14 J3.7 v1(64.77,68.58) ; 119.38,62.23 121.92,62.23
Y_BUS7: length 232.9
  Top w0.25: v1(49.53,125.73) 50.16,126.37 79.38,126.37 v1(80.01,127) ; U5.13 111.75,66.67 111.76,66.67 111.12,67.31 62.86,67.31 v1(62.23,67.94)
  Bottom w0.25: 114.3,62.23 111.76,62.23 ; v1(80.01,127) 80.01,135.25 88.27,143.51 91.44,143.51 92.71,144.78 97.16,144.78 100.39,148.02 J8.1 ; J2.17 38.73,140.97 40,139.7 48.89,139.7 49.53,139.06 v1(49.53,125.73) 49.53,113.66 50.8,112.39 59.69,112.39 60.96,111.12 60.96,104.14 J3.5 v1(62.23,67.94)
Y_BUS8: length 216.2
  Top w0.25: v1(36.19,142.88) 36.83,142.24 78.1,142.24 v1(78.74,141.6) ; v1(55.24,107.95) 55.88,108.58 79.38,108.58 80.01,109.22 J4.19 ; U4.9 U4.10 95.25,66.03 94.61,66.67 55.88,66.67 v1(55.24,67.31)
  Bottom w0.25: J9.15 95.83,145.41 92.08,145.41 90.8,144.15 87.63,144.15 85.72,142.24 79.38,142.24 v1(78.74,141.6) 78.74,117.47 J4.19 ; v1(55.24,67.31) v1(55.24,107.95) ; 36.19,147.95 v1(36.19,142.88)
Y_BUS9: length 209.6
  Top w0.25: v1(53.97,108.58) 54.61,109.22 76.83,109.22 77.47,109.85 J4.17 ; U4.13 87.63,65.41 86.99,66.04 54.61,66.04 v1(53.97,66.67) ; v1(76.2,140.97) 75.56,141.6 34.29,141.6 v1(33.66,142.24)
  Bottom w0.25: J4.17 76.2,117.47 v1(76.2,140.97) 76.2,142.24 76.83,142.88 85.09,142.88 86.99,144.78 90.17,144.78 91.44,146.05 93.98,146.05 93.98,146.1 J9.13 ; 33.66,147.95 v1(33.66,142.24) ; U4.13 U4.12 ; v1(53.97,66.67) v1(53.97,108.58)
Y_BUS10: length 194.1
  Top w0.25: U3.10 71.12,64.77 70.48,65.41 53.34,65.41 v1(52.7,66.04) ; v1(73.66,140.34) 73.02,140.97 31.75,140.97 v1(31.11,141.6) ; J4.15 74.93,110.49 74.3,109.85 53.34,109.85 v1(52.7,109.22)
  Bottom w0.25: U3.10 U3.9 ; J2.11 v1(31.11,141.6) ; J9.11 92.08,146.74 90.85,146.74 89.53,145.41 86.36,145.41 84.45,143.51 74.3,143.51 73.66,142.88 v1(73.66,140.34) 73.66,117.47 J4.15 ; v1(52.7,66.04) v1(52.7,109.22)
Y_BUS11: length 187.5
  Top w0.25: U3.13 63.5,64.13 62.86,64.77 52.07,64.77 v1(51.44,65.41) ; v1(51.44,109.85) 52.07,110.49 71.75,110.49 72.39,111.12 J4.13 ; v1(71.12,139.7) 70.48,140.34 29.21,140.34 v1(28.57,140.97)
  Bottom w0.25: J4.13 71.12,117.47 v1(71.12,139.7) 71.12,143.51 71.75,144.15 83.82,144.15 85.72,146.05 88.9,146.05 89.98,147.13 89.98,147.13 90.82,147.97 J9.9 ; 28.57,147.95 v1(28.57,140.97) ; U3.13 U3.12 ; v1(51.44,65.41) v1(51.44,109.85)
Y_BUS12: length 176.2
  Top w0.25: v1(68.58,139.06) 67.94,139.7 26.67,139.7 v1(26.04,140.34) ; J4.11 69.85,111.76 69.22,111.12 50.8,111.12 v1(50.16,110.49)
  Bottom w0.25: J4.11 68.58,117.47 v1(68.58,139.06) 68.58,144.15 69.22,144.78 83.19,144.78 85.09,146.69 86.94,146.69 J9.7 ; U2.10 U2.9 49.53,63.5 49.53,63.5 50.16,64.14 v1(50.16,110.49) ; J2.7 v1(26.04,140.34)
Y_BUS13: length 181.9
  Top w0.25: v1(66.04,138.43) 65.41,139.06 24.13,139.06 v1(23.5,139.7) ; U2.12 41.92,64.13 41.91,64.14 42.55,64.77 48.26,64.77 v1(48.89,65.41) ; J4.9 67.31,112.39 66.67,111.76 49.53,111.76 v1(48.89,111.12)
  Bottom w0.25: J2.5 v1(23.5,139.7) ; U2.13 U2.12 ; v1(48.89,65.41) v1(48.89,111.12) ; J4.9 66.04,117.47 v1(66.04,138.43) 66.04,144.78 66.67,145.41 82.55,145.41 85.16,148.02 J9.5
Y_BUS14: length 196.9
  Top w0.25: v1(47.62,66.04) 46.99,65.41 26.04,65.41 25.4,64.77 25.4,64.77 U1.9 ; v1(47.62,111.76) 48.26,112.39 64.13,112.39 64.77,113.03 J4.7 ; v1(20.96,139.06) 21.59,138.43 62.86,138.43 v1(63.5,137.8)
  Bottom w0.25: J4.7 63.5,117.47 v1(63.5,137.8) 63.5,145.41 64.13,146.05 81.28,146.05 83.2,147.97 J9.3 ; U1.10 U1.9 ; v1(47.62,66.04) v1(47.62,111.76) ; J2.3 v1(20.96,139.06)
Y_BUS15: length 521.3
  Top w0.25: v1(46.35,112.39) 46.99,113.03 61.59,113.03 62.23,113.66 J4.5 ; v1(60.96,137.16) 60.33,137.8 19.05,137.8 v1(18.42,138.43) ; v1(173.99,71.75) 173.35,72.39 81.91,72.39 80.64,73.66 46.99,73.66 v1(46.35,74.3) ; U1.12 17.79,66.05 18.42,66.67 43.18,66.67 v1(43.81,67.31)
  Bottom w0.25: D19.2 88.27,5.72 88.9,6.35 88.9,24.76 88.27,25.4 31.11,25.4 30.48,26.03 30.48,63.5 31.11,64.14 40.64,64.14 v1(43.81,67.31) 46.35,69.85 v1(46.35,112.39) ; U15.5 190.48,27.94 182.88,27.94 181.6,29.22 U15.1 176.54,29.22 176.53,29.21 175.9,29.84 175.9,52.07 173.99,53.97 v1(173.99,71.75) ; J9.1 79.44,148.02 78.1,146.69 61.59,146.69 60.96,146.05 v1(60.96,137.16) 60.96,117.47 J4.5 ; U1.13 U1.12 ; J2.1 v1(18.42,138.43)
Y_Flag_BUS0: length 241.5
  Top w0.25: v1(90.8,95.25) 91.44,94.61 196.22,94.61 196.22,94.61 v1(196.84,93.97) ; v1(92.71,137.16) 92.71,137.8 85.72,144.78 57.15,144.78 v1(56.52,145.41)
  Bottom w0.25: J8.15 128.92,143.53 128.27,142.88 104.14,142.88 101.6,140.34 97.16,140.34 95.88,139.06 94.61,139.06 v1(92.71,137.16) 90.8,135.25 v1(90.8,95.25) ; U18.8 v1(196.84,93.97) ; 56.52,147.95 v1(56.52,145.41)
Y_Flag_BUS1: length 249.4
  Top w0.25: v1(53.97,144.78) 54.61,144.15 84.45,144.15 90.8,137.8 v1(90.8,137.16) ; v1(195.58,93.34) 194.94,93.98 90.17,93.98 v1(89.53,94.61)
  Bottom w0.25: 53.97,147.95 v1(53.97,144.78) ; v1(195.58,93.34) 195.58,81.28 195.56,81.28 194.31,80.02 ; v1(89.53,94.61) 89.53,135.89 v1(90.8,137.16) 93.34,139.7 95.25,139.7 96.52,140.97 100.97,140.97 103.5,143.51 125.73,143.51 126.38,144.16 J8.13
